# Altium PCB PCB.PcbDoc
Units mm, origin at the board's own origin, x right, y up, seen from the top; angles counter-clockwise.
Board outline 100 x 100 mm, 2 copper layers (Top Layer, Bottom Layer); 49 components, 31 nets, 213 pads, 94 vias.
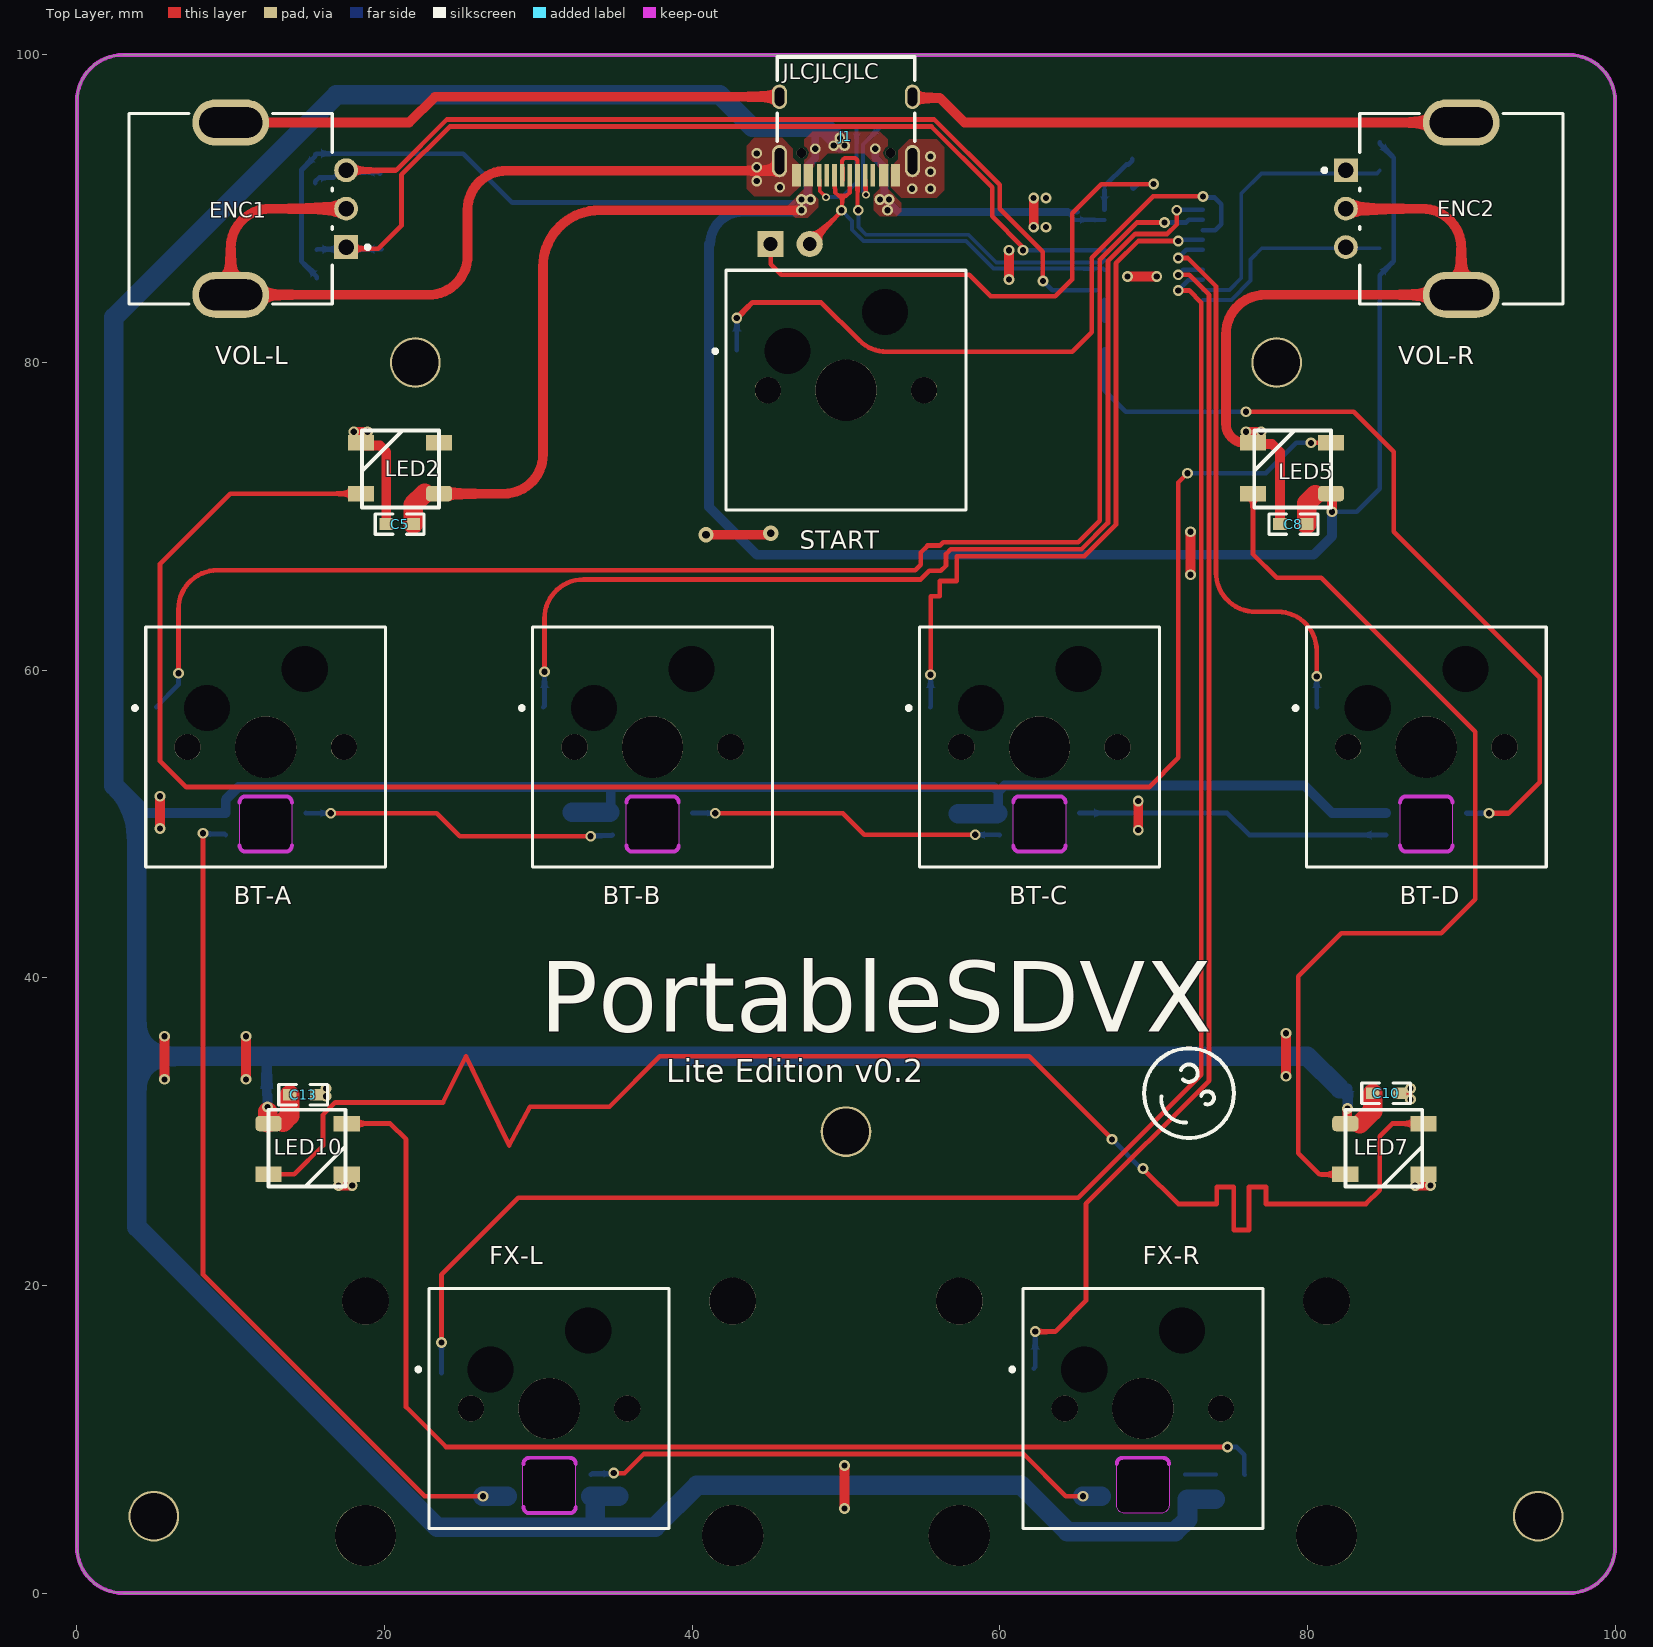
[diagram p0: Top Layer view]
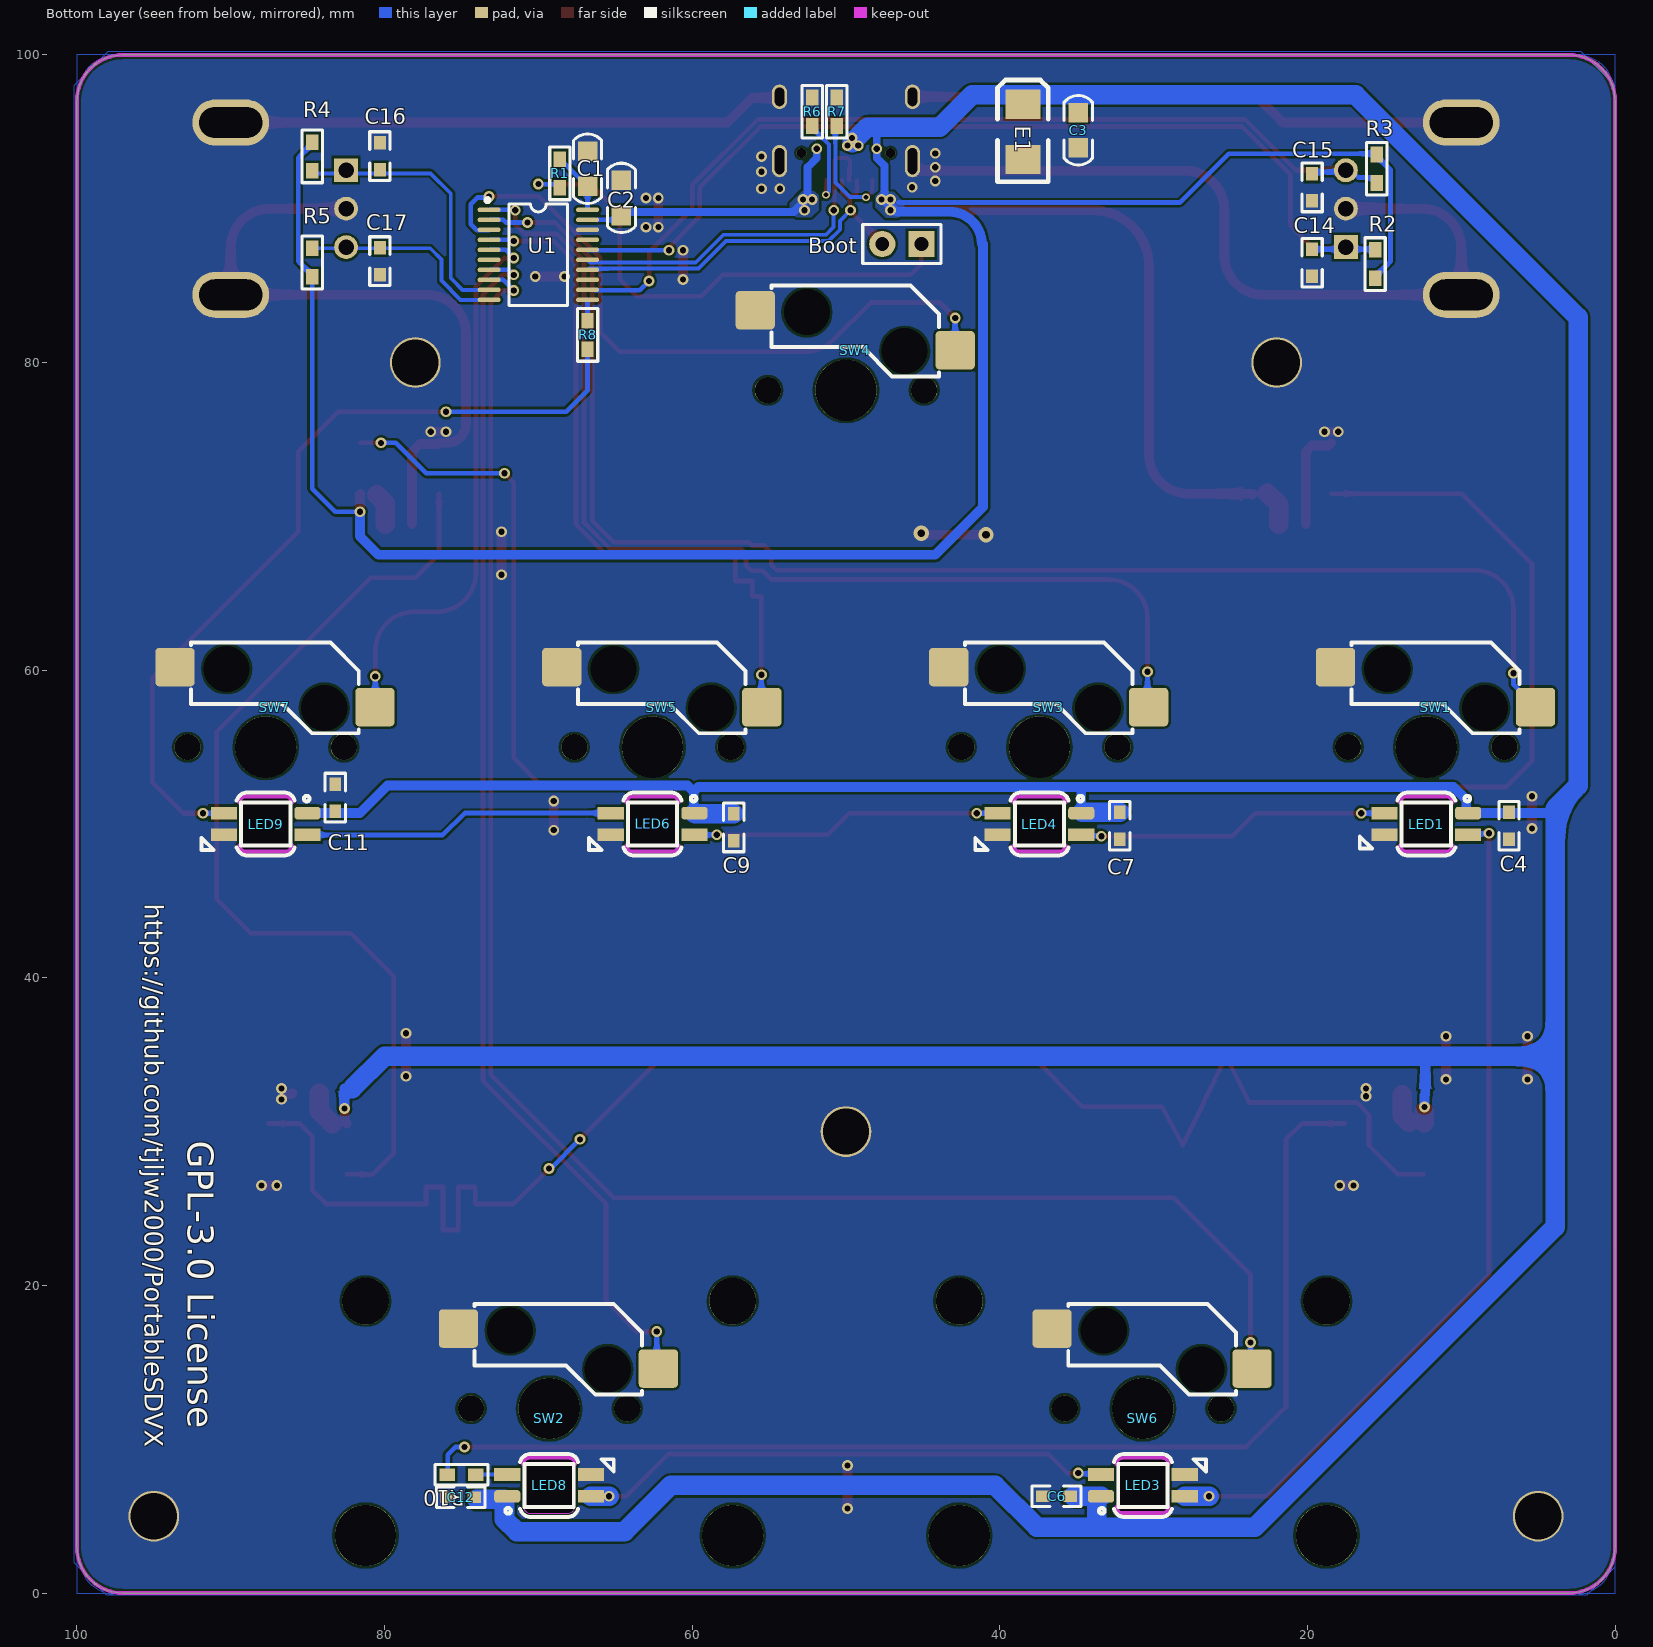
[diagram p1: Bottom Layer view, seen from below]
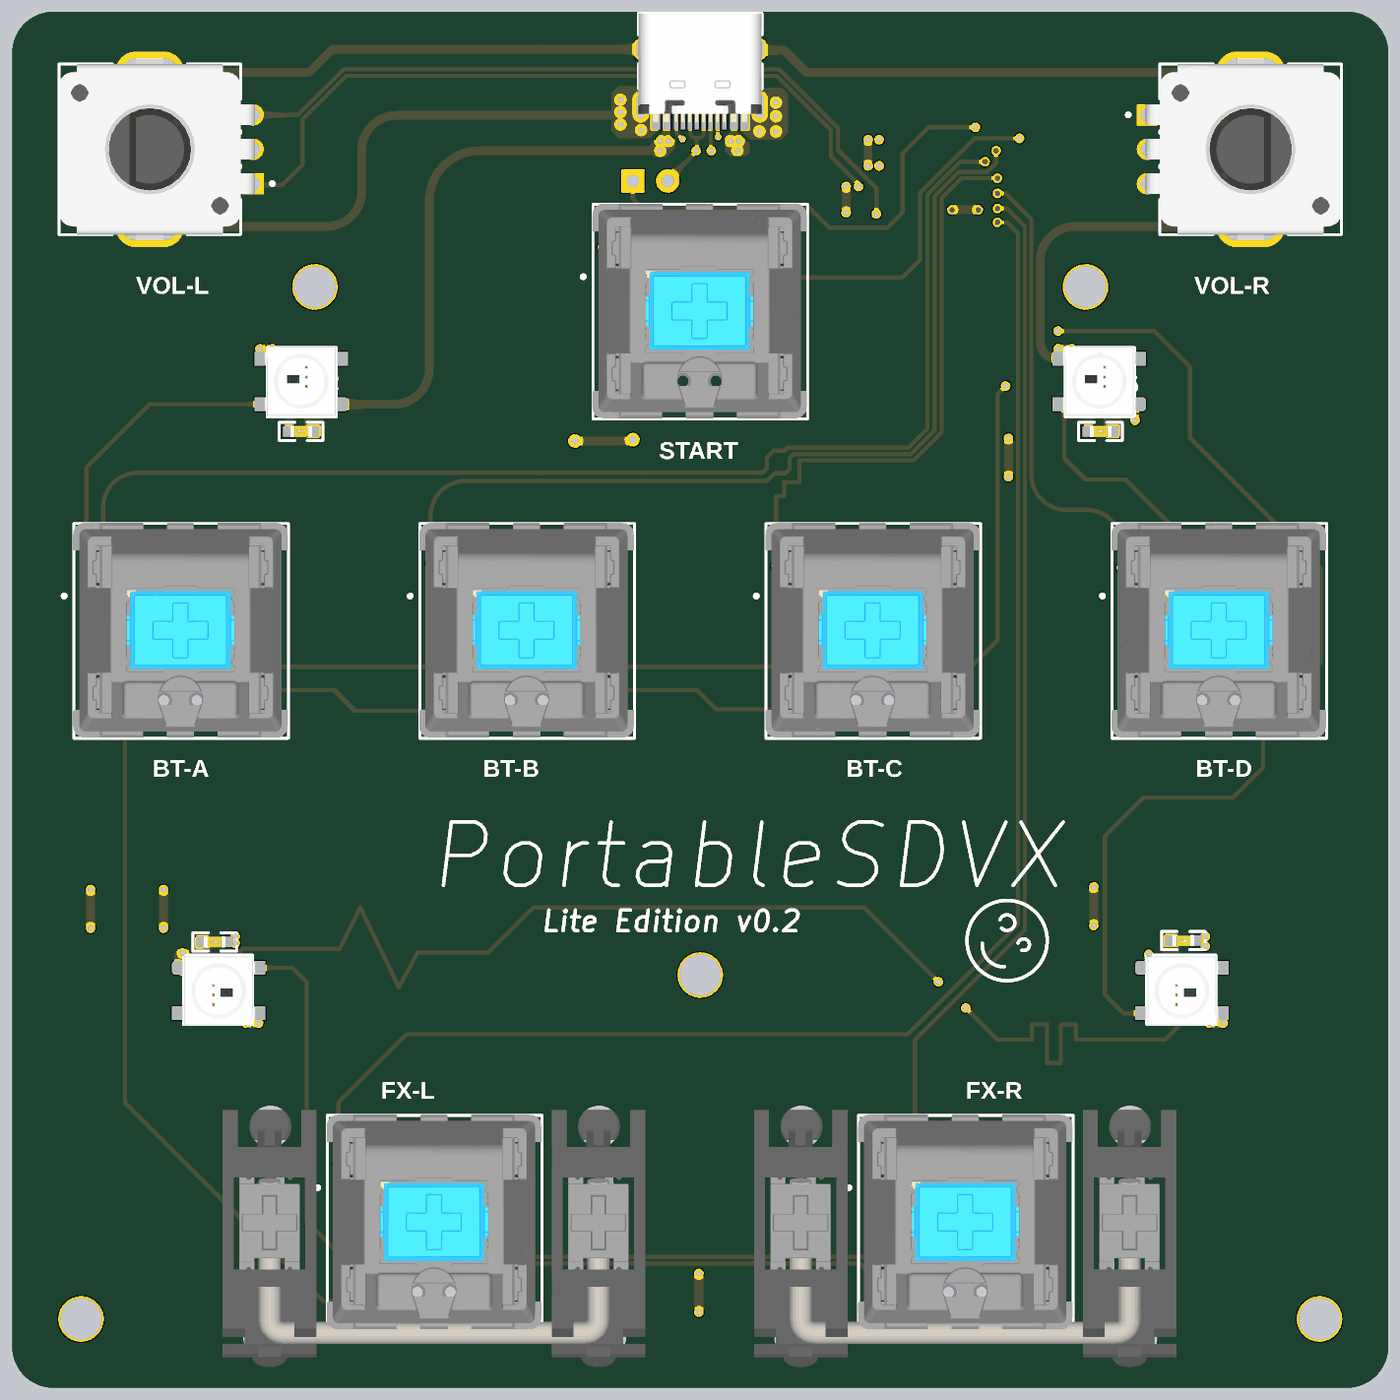
[diagram p2: 3D render of the assembled board from above, using the file's embedded part models]
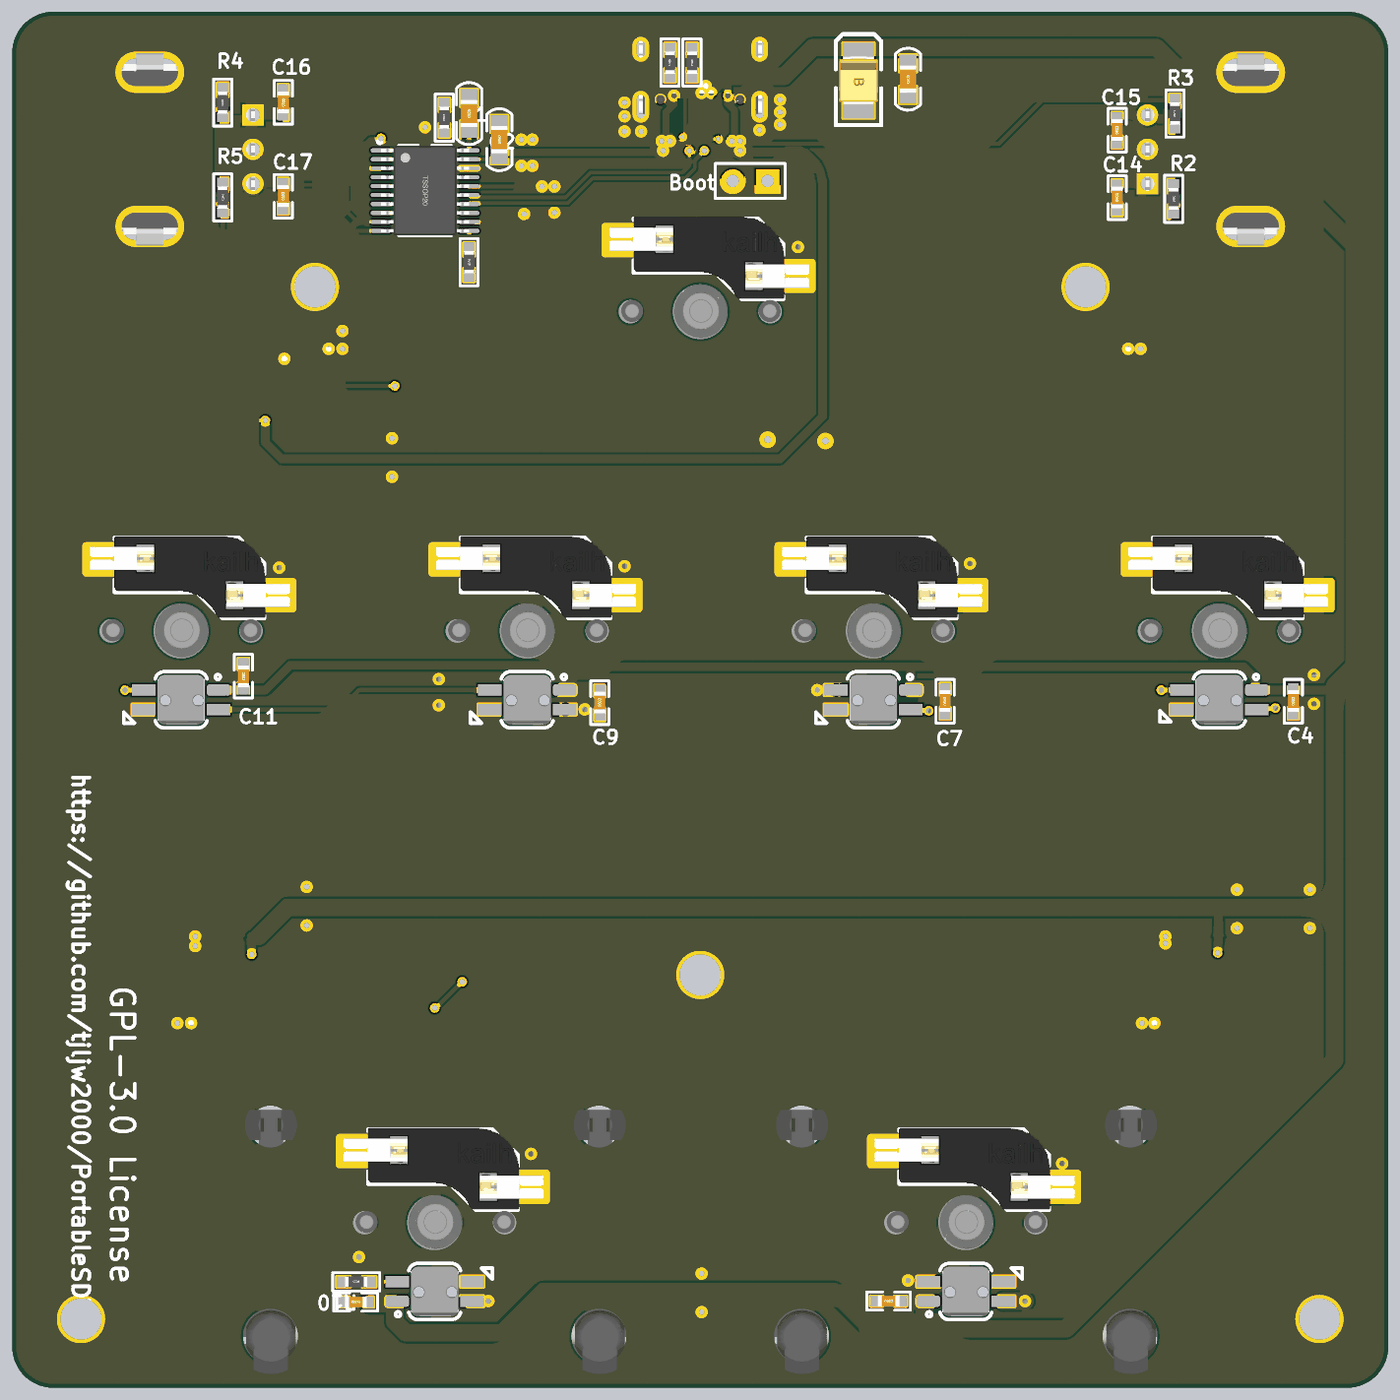
[diagram p3: 3D render of the assembled board from below, using the file's embedded part models]

## Layer stack, top to bottom
Top Solder: solder mask 0.0102, Solder Resist, Dk 3.5
Top Layer: signal copper 0.0356
Dielectric 1: dielectric 0.32, FR-4, Dk 4.8
Bottom Layer: signal copper 0.0356
Bottom Solder: solder mask 0.0102, Solder Resist, Dk 3.5

## Board outline
0,3 0,97 cw(c3,97) 3,100 97,100 cw(c97,97) 100,97 100,3 cw(c97,3) 97,0 3,0 cw(c3,3)

## Design rules (kind name [scope] priority, off if disabled: settings)
Clearance [All] p1: gap=0.152 ignorepadtopadclearanceinfootprint=FALSE
PolygonConnect [All] p1: connectstyle=Direct reliefconductorwidth=0.254 reliefentries=4 polygonreliefangle="90 Angle" airgapwidth=0.254
RoomDefinition Sheet [InComponentClass('Sheet')] p1 off: confinementstyle=ConfineIn formatcopy=TRUE lockcomponents=FALSE outline 149.168,-9.459 171.803,-9.459 171.803,21.529 149.168,21.529
RoutingVias [All] p1: holewidth=0.711 width=1.27 viastyle="Through Hole" minholewidth=0.711 minwidth=1.27 maxholewidth=0.711 maxwidth=1.27
SolderMaskExpansion [All] p1: expansion=0.102
Width [All] p1: maxlimit=1.27 minlimit=0.254 preferedwidth=0.254
30 further rules are at their usual default settings.

## Components (designator, comment, footprint, x,y, rotation, side; value= is the part's Value field where it differs from the comment)
Boot "HDR-1X2" HDR-1X2 45.1,87.7 r0 bottom
C1 "106" "C 0805" 66.8,92.6 r90 bottom
C2 "106" "C 0805" 64.6,90.7 r270 bottom
C3 "106" "C 0805" 34.9,95.1 r90 bottom
C4 "104" "C 0603" 6.9,49.9 r90 bottom
C5 "104" "C 0603" 21,69.5 r0 top
C6 "104" "C 0603" 36.3,6.3 r180 bottom
C7 "104" "C 0603" 32.2,49.9 r90 bottom
C8 "104" "C 0603" 79.1,69.5 r0 top
C9 "104" "C 0603" 57.3,49.8 r90 bottom
C10 "104" "C 0603" 85.1,32.5 r180 top
C11 "104" "C 0603" 83.2,51.7 r270 bottom
C12 "104" "C 0603" 75.033,6.233 r180 bottom
C13 "104" "C 0603" 14.7,32.4 r180 top
C14 "104" "C 0603" 19.7,86.5 r90 bottom
C15 "104" "C 0603" 19.7,91.4 r90 bottom
C16 "104" "C 0603" 80.3,93.4 r270 bottom
C17 "104" "C 0603" 80.3,86.6 r90 bottom
E1 "10uF/10V" "CD B(3528)" 38.5,95 r270 bottom
ENC1 "EC12E24204A9" ALPS_EC12E24204A9_MFG 10,90 r90 top
ENC2 "EC12E24204A9" ALPS_EC12E24204A9_MFG 90,90 r270 top
J1 "Typec16" "TYPEC 16P" 50,99.873 r180 top
LED1 "WS2812B" WS2812_SINK 12.275,50 r0 top
LED2 "WS2812B" WS2812B 21,73 r180 top
LED3 "WS2812B" WS2812_SINK 30.7,7 r180 top
LED4 "WS2812B" WS2812_SINK 37.425,50 r0 top
LED5 "WS2812B" WS2812B 79,73 r180 top
LED6 "WS2812B" WS2812_SINK 62.575,50 r0 top
LED7 "WS2812B" WS2812B 85,29 r0 top
LED8 "WS2812B" WS2812_SINK 69.3,7 r180 top
LED9 "WS2812B" WS2812_SINK 87.725,50 r0 top
LED10 "WS2812B" WS2812B 15,29 r0 top
R1 "10K" RES-SMD-0603 68.6,92.3 r90 bottom
R2 "10K" RES-SMD-0603 15.6,86.4 r270 bottom
R3 "10K" RES-SMD-0603 15.5,92.6 r90 bottom
R4 "10K" RES-SMD-0603 84.7,93.4 r90 bottom
R5 "10K" RES-SMD-0603 84.7,86.5 r270 bottom
R6 "5.1K" Res-SMD-0603 52.2,96.3 r90 bottom
R7 "5.1K" Res-SMD-0603 50.6,96.3 r270 bottom
R8 "500" Res-SMD-0603 66.8,81.8 r270 bottom
R10 "500" Res-SMD-0603 75,7.7 r180 bottom
SW1 "SWITCH" CHERRY_MX1A_KAILH 12.275,55 r0 top locked
SW2 "SWITCH" Cherry_MX1A_X2_Kailh 69.3,12 r0 top locked
SW3 "SWITCH" CHERRY_MX1A_KAILH 37.425,55 r0 top
SW4 "SWITCH" CHERRY_MX1A_KAILH 50,78.2 r0 top
SW5 "SWITCH" CHERRY_MX1A_KAILH 62.575,55 r0 top
SW6 "SWITCH" Cherry_MX1A_X2_Kailh 30.7,12 r0 top
SW7 "SWITCH" CHERRY_MX1A_KAILH 87.725,55 r0 top locked
U1 "CH552T" TSSOP20_N 70,87 r180 bottom

## Footprints (in the part's own frame and the unit in brackets; to place one, negate y for a bottom-side part, rotate by r counter-clockwise, add the part's x,y. Pads: shape width x height; smd on the part's side, far side on the other; paste and mask are expansions set on the pad)
ALPS_EC12E24204A9_MFG [mm]
  rect 1.55x1.55 hole 1 paste-1000 mask+0: 1(-2.5,-7.5)
  round 1.55 hole 1 paste-1000 mask+0: 2(0,-7.5) 3(2.5,-7.5)
  rrect100% 3x5 hole 2 slot 4.1 at 90 deg paste-1000 mask+0: 4(-5.6,0) 5(5.6,0)
  silkscreen extent -6.2,-9.03 6.2,6.6, body extent -7,-8.37 7,6.7, height 0.25
"C 0603" [mil] "�޼�����Ƭ����"
  rect 35x30 smd: 1(-35,0) 2(34,0)
  silkscreen extent -63,-26 62,26, body extent -31,-16 31,16, height 32
"C 0805" [mil]
  rect 50x50 smd: 1(-45,0) 2(45,0)
  silkscreen extent -89,-36 89,36, body extent -39,-24 39,24, height 20
"CD B(3528)" [mil] "��3.5mm����2.8mm����1.9mm"
  rect 75x90 smd: A(-70.87,-0.01) K(70.86,-0.01)
  silkscreen extent -133,-65 127,65, body extent -69,-55 69,55, height 75
CHERRY_MX1A_KAILH [mm]
  rrect20% 2.55x2.5 smd far side paste-1000 mask+0: 1(-7.1,2.6) 2(5.9,5.2)
  round 1.702 hole 1.702 unplated paste-1000 mask+0: ""(-5.08,0) ""(5.08,0)
  round 2.3 hole 3 paste-1000 mask+0: ""(-3.81,2.54) ""(2.54,5.08)
  round 0.08 hole 0.043 paste-1000 mask+0: ""(0,0)
  round 3.988 hole 3.988 unplated paste-1000 mask+0: ""(0,0)
  silkscreen extent -8.62,-7.8 7.8,7.8, body extent -7.91,-7.75 7.75,7.85, height 15.53
Cherry_MX1A_X2_Kailh [mil]
  rrect20% 100.39x98.43 smd far side paste-39370.1 mask+0: 1(-279.53,102.36) 2(232.28,204.72)
  round 157 hole 157 unplated paste-39370.1 mask+0: ""(-470,-325) ""(0,0) ""(470,-325)
  round 120 hole 120 unplated paste-39370.1 mask+0: ""(-470,275) ""(470,275)
  round 67 hole 67 unplated paste-39370.1 mask+0: ""(-200,0) ""(200,0)
  round 90.55 hole 118.11 paste-39370.1 mask+0: ""(-150,100) ""(100,200)
  round 3.15 hole 1.69 paste-39370.1 mask+0: ""(0,0)
  silkscreen extent -340,-307 307,307, body extent -606,-433 602,323, height 611
HDR-1X2 [mm]
  rect 1.7x1.7 hole 0.9: 1(0,0)
  round 1.7 hole 0.9: 2(2.54,0)
  silkscreen extent -1.27,-1.27 3.81,1.27
RES-SMD-0603 [mil] "1/10W��Ƭ����"
  rect 40x31.5 smd: 1(-36.5,0) 2(36.5,0)
  silkscreen extent -68,-26 68,26, body extent -31,-16 31,16, height 16
Res-SMD-0603 [mil]
  rect 40x31.5 smd: 1(-36.5,0) 2(36.5,0)
  silkscreen extent -68,-26 68,26, body extent -31,-16 31,16, height 16
TSSOP20_N [mm] "6.5*6.4*1������ߣ�"
  oval 1.5x0.3 smd: 1(-3.2,2.925) 2(-3.2,2.275) 3(-3.2,1.625) 4(-3.2,0.975) 5(-3.2,0.325) 6(-3.2,-0.325) 7(-3.2,-0.975) 8(-3.2,-1.625) 9(-3.2,-2.275) 10(-3.2,-2.925) 11(3.2,-2.925) 12(3.2,-2.275) 13(3.2,-1.625) 14(3.2,-0.975) 15(3.2,-0.325) 16(3.2,0.325) 17(3.2,0.975) 18(3.2,1.625) 19(3.2,2.275) 20(3.2,2.925)
  silkscreen extent -3.43,-3.3 1.91,3.69, body extent -3.2,-3.25 3.2,3.25, height 1.03
"TYPEC 16P" [mm]
  rect 0.6x1.45 smd: 1(-3.225,7.695) 2(-2.45,7.695) 7(2.45,7.695) 8(3.225,7.695)
  rect 0.3x1.45 smd: 3(-1.25,7.695) 4(-0.25,7.695) 5(0.25,7.695) 6(1.25,7.695) 11(-1.75,7.695) 12(-0.75,7.695) 13(0.75,7.695) 14(1.75,7.695)
  oval 1x2.1 hole 0.6 slot 1.7 at 90 deg: ""(-4.32,6.78) ""(4.32,6.78)
  oval 1x1.6 hole 0.6 slot 1.2 at 90 deg: ""(-4.32,2.6) ""(4.32,2.6)
  round 0.65 hole 0.65 unplated: ""(-2.89,6.25) ""(2.89,6.25)
  silkscreen extent -4.47,0 4.47,5.46, body extent -4.46,0 4.49,7.9, height 3.21
WS2812_SINK [mm]
  rrect50% 1.7x0.82 smd far side: 1(-2.72,0.71)
  rect 1.7x0.82 smd far side: 2(-2.72,-0.71) 3(2.72,-0.71) 4(2.72,0.71)
  Keep-Out Layer board cut-out: -1.7,-1.3 -1.7,1.3 -1.662,1.491 -1.554,1.654 -1.391,1.762 -1.2,1.8 -1.2,1.8 1.2,1.8 1.391,1.762 1.554,1.654 1.662,1.491 1.7,1.3 1.7,1.3 1.7,-1.3 1.662,-1.491 1.554,-1.654 1.391,-1.762 1.2,-1.8 1.2,-1.8 -1.2,-1.8 -1.391,-1.762 -1.554,-1.654 -1.662,-1.491 -1.7,-1.3
WS2812B [mm]
  rrect50% 1.7x1 smd: 1(-2.54,1.524)
  rect 1.7x1 smd: 2(-2.54,-1.778) 3(2.54,-1.778) 4(2.54,1.524)
  silkscreen extent -2.54,-2.58 2.46,2.42, body extent -2.7,-2.65 2.7,2.35, height 1.54

## Part data
Boot: library part "Header 2", "2P接插件", BOM名称=2P接插件, 学习资源=www.ooocke.com, 版权归属=源创客
C1 C2 C3 C4 C5 C6 C7 C8 C9 C10 C11 C12 C13 C14 C15 C16 C17: library part Cap-CER-SMD, "瓷片电容-贴片"
E1: library part Cap-TAN-SMD, "钽电解电容-贴片"
LED1 LED2 LED3 LED4 LED5 LED6 LED7 LED8 LED9 LED10: "Raspberry Pi HAT _40 pin_ Wheeled Robotics Kit", Package=None, Availability=Unavailable, MF="SparkFun Electronics", MP=WS2812B, Price=None, SnapEDA_Link=https://www.snapeda.com/parts/WS2812B/Worldsemi/view-part/1038297/?ref=snap
R1 R2 R3 R4 R5 R6 R7 R8 R10: library part Res-Fixed-SMD, "固定电阻器-贴片"
SW1 SW2 SW3 SW4 SW5 SW6 SW7: "SWITCH Pushbutton Switch SPST-NO Keyswitch Through Hole", contact_current_rating="10 mA", Digikey Part Number=CH160-ND, Manufacturer=Cherry, Mouser Part Number=540-MX1A-11NW, Octopart Part Number=MX1A-11NW, Package=SW_15MM6_15_6, Temperature="-10 to +70", Temperature Range High=+70, Temperature Range Low=-10, Category 2Bfae6F01857F03D=Pushbutton, Category 6A0Ba70159B8B1Cc=Keylock, Category 6E88A3825D3Cb54F=Uncategorized, Category 8Ce341E9Bf4C5724=Switches, Category A9A064Aa9A0A7267="Tactile / Jog", Category Db391633E8F300Fe="Industrial Control", ComponentLink1Description=Upverter, ComponentLink1URL=https://upverter.com/upn/revision/2ca27a2fbe391082/, ComponentLink2Description=Datasheet, ComponentLink2URL=https://upverter.com/datasheet/a174b925b05052267a652262a41f429ea7a87855.pdf, contact_plating=Gold, contacts_type=SPST, Digikey Description="SWITCH Pushbutton Switch SPST-NO Keyswitch Through Hole", helpURL=https://upverter.com/upn/revision/2ca27a2fbe391082/, Lead Free=yes, Mounting Type=lug, Num Pins=2, orientation=Vertical, Price=0.648391469733, RoHS=TRUE, size_length="15.6 mm", size_width="15.6 mm", Supplier 1=Digi-Key, Supplier 2=Mouser, Supplier Part Number 1=CH160-ND, Supplier Part Number 2=540-MX1A-11NW

## Free pads (board coordinates)
  round 3.3 hole 3 unplated: ""(5,5) ""(22,80) ""(50,30) ""(78,80) ""(95,5)

## Via types
v1: diameter 0.7, hole 0.4, Top Layer to Bottom Layer, 90 vias
v2: diameter 0.5, hole 0.3, Top Layer to Bottom Layer, 2 vias
v3: diameter 1, hole 0.5, Top Layer to Bottom Layer, 2 vias

## Nets (pads, with @x,y where several pads share a name; then routed paths per layer and width w, separated by ;. In a path a pad name is that pad's centre, name@x,y a point inside that pad or via, vN(x,y) a via of type N, cw(c..) or ccw(c..) an arc to the next point about the centre after c; other vN are vias at no path point)
+5: C2.2 C3.2 C4.2 C5.2 C6.2 C7.2 C8.2 C9.2 C10.2 C11.2 C12.2 C13.2 E1.A J1.2 J1.7 LED1.1 LED2.1 LED3.1 LED4.1 LED5.1 LED6.1 LED7.1 LED8.1 LED9.1 LED10.1 R2.2 R3.2 R4.2 R5.2 U1.19 | length 587.5
  Top Layer w0.635: LED2.1@23.588,71.428 LED2.1 27.76,71.476 ccw(c27.76,74.016) 30.3,74.016 30.3,86.235 cw(c33.965,86.235) 33.965,89.9 v1(47.1,89.9) ; LED5.1 81.588,71.428 81.588,70.312 v1(81.6,70.3) ; LED7.1 82.588,30.652 82.588,31.488 v1(82.6,31.5)
  Top Layer w1.27: LED10.1@12.4,30.584 v1@12.4,31.3 ; 13.4,30.6 13.836,31.036 C13.2 ; C5.2 21.864,70.764 22.6,71.5 ; C8.2 79.964,70.864 80.5,71.4 ; 83.4,30.5 84.236,31.336 C10.2
  Bottom Layer w0.254: C2.2@64.4,89.782 C2.2@65.082,89.782 ; C2.2 64.882,89.275 U1.19
  Bottom Layer w0.305: R2.2 15.6,85.581 14.6,86.581 14.6,92.519 15.5,93.419 R3.2 15.553,93.58 25.12,93.58 28.3,90.4 46.6,90.4 ; v1(81.6,70.3) 83.2,70.3 84.7,71.8 R5.2 84.7,85.681 85.6,86.581 85.6,93.319 84.7,94.219 R4.2
  Bottom Layer w0.508: v1@47.504,90.684 47.504,92.804 48,93.3 v1(48,93.9) 48,95.1 47.8,95.3 47.6,95.5 ; v1(51.9,93.9) 51.9,93.3 52.496,92.704 52.496,90.684 53.398,89.782 C2.2@64.4,89.782
  Bottom Layer w0.635: 3.9,51 4.19,50.71 LED1.1 9.675,50.71 9.675,51.575 10.5,52.4 59.6,52.4 59.9,52.1 ; 12.1,34.9 12.336,34.664 12.336,32.4 12.388,32.349 12.388,31.612 v1(12.4,31.6) ; LED4.1 34.705,52.105 ; 41.1,87.7 41.1,70.6 44.2,67.5 80.4,67.5 81.6,68.7 v1(81.6,70.3) ; 41.173,87.7 cw(c43.273,87.7) 43.273,89.8 46.71,89.8 47.545,90.635 v1@47.545,90.684 ; LED6.1 59.9,50.755 59.9,52.1 ; v1(82.6,31.5) 82.612,31.512 82.612,32.8 ; LED9.1@85.125,50.71 LED9.1 81.59,50.71 79.8,52.5 60.3,52.5 59.9,52.1
  Bottom Layer w1.27: C7.2 LED4.1@34.651,50.764 ; LED3.1 C6.2@35.226,6.29 ; LED3.1@33.7,6.1 33.7,4.286 ; v1@49.6,94.3 48.6,95.3 47.8,95.3 43.9,95.3 41.8,97.4 16.863,97.4 2.4,82.937 2.4,52.5 3.9,51 3.9,34.9 ; C9.2 59.809,50.664 LED6.1 ; C12.2@73.994,6.1 72.2,6.1 72.2,4.8 71.4,4 64.4,4 61.4,7 40.3,7 37.586,4.286 33.7,4.286 ; 82.1,32.8 80,34.9 12.1,34.9 3.9,34.9 ; 3.9,34.9 3.9,23.8 23.414,4.286 33.7,4.286
  other v1: 52.7,89.9 47.1,90.6 47.7,90.6 52.2,90.6 52.8,90.6 49.2,94.1 49.9,94.1 49.6,94.6
BTNL1: SW7.1 U1.5 | length 36.8
  Top Layer w0.305: v1(71.6,86.8) 72.2,86.8 74.057,84.943 74.057,66.34 ccw(c76.597,66.34) 74.066,66.134 ccw(c76.597,66.34) 76.392,63.808 ccw(c76.597,66.34) 76.597,63.8 78.06,63.8 cw(c78.06,61.26) 80.6,61.26 v1(80.6,59.6)
  Bottom Layer w0.305: v1(71.6,86.8) 72.123,87.323 73.198,87.323 U1.5 ; v1(80.6,59.6) 80.6,57.625 SW7.1
BTNL2: SW5.1 U1.4 | length 45.7
  Top Layer w0.305: v1(55.5,59.7) 55.5,64.8 56.1,64.8 56.1,65.8 57.2,65.8 57.2,67.4 65.5,67.4 67.55,69.45 67.55,86.45 69,87.9 v1(71.6,87.9)
  Bottom Layer w0.305: SW5.1 55.5,57.625 v1(55.5,59.7) ; v1@71.851,87.975 U1.4
BTNLH: SW6.1 U1.8 | length 115.1
  Top Layer w0.305: v1(23.7,16.3) 23.7,20.7 28.7,25.7 65.1,25.7 73.1,33.7 73.1,83.9 72.313,84.687 v1(71.6,84.687)
  Bottom Layer w0.305: SW6.1@23.7,14.3 v1(23.7,16.3) ; v1(71.6,84.687) 72.288,85.375 U1.8
BTNR1: SW3.1 U1.1 | length 70.9
  Top Layer w0.305: v1(30.4,59.9) 30.4,63.36 cw(c32.94,63.36) 32.94,65.9 54.847,65.9 55.404,66.457 56.157,66.457 56.5,66.8 56.5,67.547 56.811,67.857 65.311,67.857 67.027,69.573 67.027,86.573 68.811,88.357 70.883,88.357 71.5,88.974 v1(71.5,89.9)
  Bottom Layer w0.305: SW3.1 30.4,57.675 v1(30.4,59.9) ; v1(71.5,89.9) 71.527,89.927 73.198,89.927 U1.1
BTNR2: SW1.1 U1.2 | length 95
  Top Layer w0.305: v1(6.6,59.8) 6.6,63.96 cw(c9.14,63.96) 9.14,66.5 54.5,66.5 54.85,66.85 54.85,67.65 55.3,68.1 56.1,68.1 56.314,68.314 65.1,68.314 66.503,69.718 66.503,86.697 68.907,89.1 v1(70.7,89.1)
  Bottom Layer w0.305: SW1.1 5.175,57.628 6.6,59.053 v1(6.6,59.8) ; v1@70.5,89.1 v1(70.7,89.1) 72.1,89.1 72.275,89.275 U1.2
BTNRH: SW2.1 U1.7 | length 79.6
  Top Layer w0.305: v1(62.3,17) 63.6,17 65.6,19 65.6,25.3 73.6,33.3 73.6,84.4 72.3,85.7 v1(71.6,85.7)
  Bottom Layer w0.305: SW2.1 62.3,14.7 v1(62.3,17) ; v1(71.6,85.7) 71.925,86.025 U1.7
D+: Boot.2 J1.4 J1.13 U1.14 | length 25.8
  Top Layer w0.254: Boot.2 47.64,87.77 49.7,89.83 v1(49.7,89.9) 49.75,89.95 49.75,90.851 ; J1.13@49.27,91.855 49.293,91.832 49.293,91.062 49.504,90.851 49.75,90.851 ; J1.4@50.27,91.855 50.247,91.832 50.247,91.062 50.036,90.851 49.75,90.851
  Bottom Layer w0.254: v1(49.7,89.9) 50.394,89.206 50.394,88.632 51.125,87.9 57.8,87.9 59.6,86.1 66.725,86.1 U1.14
D-: J1.5 J1.12 U1.15 | length 24.3
  Top Layer w0.254: J1.5 49.75,93.05 cw(c50,93.05) 50,93.3 50.501,93.3 cw(c50.501,93.051) 50.75,93.051 J1.12 ; J1.5@49.77,91.855 49.793,91.878 J1.5@49.793,92.648 ; J1.12@50.747,92.178 50.747,89.953 v1(50.8,89.9)
  Bottom Layer w0.254: v1(50.8,89.9) 50.8,88.8 51.294,88.306 57.968,88.306 59.768,86.506 66.631,86.506 U1.15
DLED: LED9.4 R8.2 | length 54.2
  Top Layer w0.305: v1(76,76.8) 83,76.8 85.6,74.2 85.6,69 95.1,59.5 95.1,52.7 93.1,50.7 v1(91.8,50.7)
  Bottom Layer w0.305: R8.2 66.8,78.2 68.2,76.8 v1(76,76.8) ; LED9.4@90.325,50.71 90.335,50.7 v1(91.8,50.7)
ENCLA: C14.2 ENC1.1 R2.1 U1.16 | length 63.4
  Top Layer w0.305: ENC1.1 17.6,87.4 19.6,87.4 21.1,88.9 21.1,92.2 24.243,95.343 55.557,95.343 59.5,91.4 59.5,89.5 61.5,87.5 v1(61.5,87.3)
  Bottom Layer w0.305: R2.1 15.636,87.364 C14.2 C14.2@19.8,87.364 ; v1(61.5,87.3) 66.775,87.3 U1.16
ENCLB: C15.2 ENC1.3 R3.1 U1.12 | length 61
  Top Layer w0.305: ENC1.3 20.753,92.5 24.053,95.8 55.747,95.8 60,91.547 60,89.997 62.8,87.197 v1(62.8,85.3)
  Bottom Layer w0.305: R3.1 15.5,91.781 15.748,92.029 16.692,92.029 ENC1.3@17.163,92.5 ; ENC1.3@17.618,92.382 19.582,92.382 C15.2 ; v1(62.8,85.3) 63.4,84.7 U1.12@66.335,84.7
ENCRA: C16.2 ENC2.1 R4.1 U1.9 | length 17.9
  Bottom Layer w0.254: U1.9 74.925,84.725 75.696,85.496 75.696,90.996 77,92.3 84.527,92.3 R4.1
ENCRB: C17.2 ENC2.3 R5.1 U1.10 | length 13.7
  Bottom Layer w0.254: U1.10 75.053,84.075 76.3,85.322 76.3,86.7 77.027,87.427 R5.1
GND: C1.2 C2.1 C3.1 C4.1 C5.1 C6.1 C7.1 C8.1 C9.1 C10.1 C11.1 C12.1 C13.1 C14.1 C15.1 C16.1 C17.1 E1.K ENC1.2 ENC1.4 ENC1.5 ENC2.2 ENC2.4 ENC2.5 J1.1 J1.8 J1.@45.68,93.093 J1.@45.68,97.273 J1.@54.32,93.093 J1.@54.32,97.273 LED1.3 LED2.3 LED3.3 LED4.3 LED5.3 LED6.3 LED7.3 LED8.3 LED9.3 LED10.3 pad. R6.2 R7.1 SW1.2 SW2.2 SW3.2 SW4.2 SW5.2 SW6.2 SW7.2 U1.18 | length 208.9
  Top Layer w0.635: v1(5.4,49.7) v1(5.4,51.8) ; v1(5.7,33.4) v1(5.7,36.2) ; ENC1.5 21.6,95.6 23.273,97.273 J1.@45.68,97.273 ; v1(11,33.4) v1(11,36.2) ; v1(17,26.5) v1(17.9,26.5) ; ENC1.2 12.54,90 ccw(c12.54,87.46) 10,87.46 ENC1.4 22.86,84.4 ccw(c22.86,86.94) 25.4,86.94 25.4,89.93 cw(c27.94,89.93) 27.94,92.47 J1.@45.68,92.47 ; v1(18,75.5) v1(18.9,75.5) ; LED2.3 18.638,74.6 19.7,74.6 20.111,74.189 C5.1 ; v3(40.9,68.8) 45,68.8 v3(45.1,68.9) ; v1(49.9,5.5) v1(49.9,8.3) ; J1.@54.32,97.2 56.1,97.2 57.7,95.6 ENC2.4 ; v1(60.6,85.4) v1(60.6,87.3) ; v1(62.2,88.8) v1(62.2,90.7) ; v1(68.3,85.6) v1(70.2,85.6) ; v1(69,49.6) v1(69,51.5) ; v1(72.4,66.2) v1(72.4,69) ; v1(76,75.5) v1(77,75.5) ; C8.1 78.211,74.189 77.7,74.7 76.538,74.7 LED5.3 75.922,74.778 cw(c75.922,76) 74.7,76 74.7,81.86 cw(c77.24,81.86) 77.24,84.4 ENC2.5 90,87.46 ccw(c87.46,87.46) 87.46,90 ENC2.2 ; v1(78.6,33.6) v1(78.6,36.4) ; C10.1 86.052,32.437 86.463,32.437 86.5,32.4 ; v1(87,26.5) v1(88,26.5)
  other v1: 86.7,32.1 16.2,32.3 16.2,32.8 86.7,32.8 63,88.8 63,90.7 54.3,91.3 55.5,91.3 45.7,91.4 44.2,91.8 55.5,92.4 44.2,92.7 55.5,93.4 44.2,93.6
NetBoot_1: Boot.1 R1.1 | length 34.2
  Top Layer w0.305: Boot.1 45.1,86.4 45.8,85.7 58,85.7 59.4,84.3 63.6,84.3 64.7,85.4 64.7,89.7 66.6,91.6 v1(70,91.6)
  Bottom Layer w0.305: R1.1 68.673,91.3 68.973,91.6 v1(70,91.6)
NetC1_1: C1.1 R1.2 U1.20 | length 3.9
  Bottom Layer w0.305: C1.1@66.8,91.211 U1.20 U1.20@66.802,89.923 ; C1.1 68.215,92.872 68.352,92.872 68.6,93.119 R1.2
NetJ1_3: J1.3 R6.1 | length 6
  Top Layer w0.254: J1.3@51.27,91.855 51.27,90.93 v2(51.3,90.9)
  Bottom Layer w0.254: v2(51.3,90.9) 51.1,91.1 51.1,94.165 52.2,95.265 R6.1
NetJ1_14: J1.14 R7.2 | length 7.4
  Top Layer w0.254: J1.14@48.27,91.855 48.293,91.832 48.293,91.157 v2(48.7,90.75)
  Bottom Layer w0.254: v2(48.7,90.75) 49.75,90.75 50.694,91.694 50.694,95.279 R7.2
NetLED1_2: LED1.2 LED3.4 | length 56
  Top Layer w0.305: v1(8.2,49.4) 8.2,20.7 22.6,6.3 v1(26.4,6.3)
  Bottom Layer w0.305: v1(8.2,49.4) 8.255,49.345 9.62,49.345 LED1.2@9.675,49.29
  Bottom Layer w1.27: v1(26.4,6.3) 27.97,6.3 LED3.4
NetLED1_4: LED1.4 LED4.2 | length 20.7
  Top Layer w0.305: v1(16.5,50.7) 23.4,50.7 24.9,49.2 v1(33.4,49.2) v1@33.445,49.2
  Bottom Layer w0.305: LED1.4@14.875,50.71 14.88,50.705 16.495,50.705 v1(16.5,50.7) ; v1(33.4,49.2) 33.445,49.245 34.78,49.245 LED4.2@34.825,49.29
NetLED2_4: LED2.4 LED5.2 | length 124.4
  Top Layer w0.305: LED2.4 9.976,71.476 5.4,66.9 5.4,54.1 7.1,52.4 69.7,52.4 71.6,54.3 71.6,72.2 v1(72.2,72.8) ; v1(80.222,74.778) LED5.2
  Bottom Layer w0.305: v1(72.2,72.8) 77.3,72.8 79.278,74.778 v1(80.222,74.778)
NetLED3_2: LED3.2 LED8.4 | length 34.9
  Top Layer w0.305: v1(34.9,7.8) 35.6,7.8 36.843,9.043 61.557,9.043 64.3,6.3 v1(65.4,6.3)
  Bottom Layer w0.305: LED3.2 33.465,7.755 34.855,7.755 v1(34.9,7.8)
  Bottom Layer w1.27: v1(65.4,6.3) 66.57,6.3 LED8.4
NetLED4_4: LED4.4 LED6.2 | length 20.5
  Top Layer w0.305: v1(41.5,50.7) 49.8,50.7 51.2,49.3 v1(58.4,49.3)
  Bottom Layer w0.305: LED4.4@40.025,50.71 40.03,50.705 41.495,50.705 v1(41.5,50.7) ; v1(58.4,49.3) 58.405,49.295 59.97,49.295 LED6.2@59.975,49.29
NetLED5_4: LED5.4 LED7.2 | length 62.8
  Top Layer w0.305: LED5.4 76.46,67.54 78,66 80.9,66 90.9,56 90.9,45.1 88.7,42.9 82.2,42.9 79.4,40.1 79.4,28.6 80.778,27.222 LED7.2
NetLED6_4: LED6.4 LED9.2 | length 20.5
  Bottom Layer w0.305: LED6.4@65.175,50.71 LED6.4 74.79,50.71 76.21,49.29 LED9.2 LED9.2@85.125,49.29
NetLED7_4: LED7.4 LED10.2 | length 102.5
  Top Layer w0.305: LED10.2 14.122,27.222 16,29.1 16,31.1 16.8,31.9 23.8,31.9 25.3,34.9 26.748,31.9 28.1,29.1 29.453,31.625 34.625,31.625 37.9,34.9 61.9,34.9 v1(67.3,29.5) ; v1(69.3,27.6) 71.6,25.3 74.1,25.3 74.1,26.4 75.2,26.4 75.2,23.6 76.2,23.6 76.2,26.4 77.3,26.4 77.3,25.3 83.8,25.3 84.7,26.2 84.7,29.7 85.524,30.524 LED7.4
  Bottom Layer w0.305: v1(67.3,29.5) 69.2,27.6 v1(69.3,27.6)
NetLED8_2: LED8.2 R10.2 | length 2.1
  Bottom Layer w0.254: LED8.2 74.063,7.71 R10.2
NetLED10_4: LED10.4 R10.1 | length 78.8
  Top Layer w0.305: LED10.4 20.376,30.524 21.4,29.5 21.4,12.1 24,9.5 v1(74.8,9.5)
  Bottom Layer w0.305: v1(74.8,9.5) 74.807,9.493 75.407,9.493 75.9,9 75.9,7.727 R10.1
NetR8_1: R8.1 U1.11 | length 1.3
  Bottom Layer w0.305: R8.1 U1.11
START: SW4.1 U1.3 | length 45.1
  Top Layer w0.305: v1(42.9,82.9) 43.9,83.9 48.4,83.9 50.856,81.444 ccw(c52.652,83.24) 52.652,80.7 64.7,80.7 65.98,81.98 65.98,86.82 69.96,90.8 v1(73.2,90.8)
  Bottom Layer w0.305: SW4.1 v1(42.9,82.9) ; U1.3@73.2,88.6 74,88.6 74.4,89 74.4,90.3 73.976,90.724 73.276,90.724 v1(73.2,90.8)
pads on no net: J1.6 J1.11 J1.@47.11,93.623 J1.@52.89,93.623 LED2.2 SW1. SW2. SW3. SW4. SW5. SW6. SW7. U1.6 U1.13 U1.17

## Polygon pours and split planes (outlines as drawn)
GND on Bottom Layer "Bottom Layer-GND 2" (solid, pour order 42): 0.1,24.6 0.1,97.36 cw(c2.64,97.36) 2.64,99.9 97.46,99.9 cw(c97.46,97.36) 100,97.36 100,2.64 cw(c97.46,2.64) 97.46,0.1 2.54,0.1 cw(c2.54,2.64) 0,2.64 0,10.6
no net on Bottom Layer "Bottom Layer-No Net 2" (solid, shelved, pour order 36): 100,100 100,0 0,0 0,100
GND on Bottom Layer "Bottom Layer-GND 1" (solid, shelved, pour order 28): 0,89.6 0,97.46 cw(c2.54,97.46) 2.54,100 97.36,100 cw(c97.36,97.46) 99.9,97.46 99.9,2.44 cw(c97.36,2.44) 97.36,-0.1 2.64,-0.1 cw(c2.64,2.44) 0.1,2.44 0.1,8.8
no net on Bottom Layer "Bottom Layer-No Net 1" (solid, pour order 20): 0,97
+5 on Bottom Layer "Bottom Layer-+5" (solid, pour order 16): 48.1,90.8 47.8,91.1 46.9,91.1 46.2,90.4 46.2,89.8 46.6,89.4 47.4,89.4 48.1,90.1
+5 on Bottom Layer "Bottom Layer-+5 1" (solid, pour order 14): 51.75,90.85 52.05,91.15 52.85,91.15 53.65,90.35 53.65,89.85 53.25,89.45 52.25,89.45 51.75,89.95
GND on Bottom Layer "Bottom Layer-GND" (solid, shelved, pour order 2): 0,98 2.2,100.2 98,100.2 100.2,98 100.2,2 98.1,-0.1 1.8,-0.1 0,1.7
no net on Bottom Layer "Bottom Layer-No Net" (solid, pour order 0): 47.596,91.601
+5 on Top Layer "Top Layer-+5" (solid, pour order 10): 47.3,93.3 47.6,93.6 47.3,93.9 47.3,94.5 47.5,94.7 48.3,94.7 48.8,94.2 48.8,93.6 47.8,92.6 47.8,91 48.2,90.6 48.2,90.1 47.5,89.4 46.7,89.4 46.2,89.9 46.2,90.2 47.3,91.3
+5 on Top Layer "Top Layer-+5 2" (solid, pour order 12): 52.7,93.2 52.5,93.4 52.5,93.7 52.7,93.9 52.7,94.5 52.5,94.7 51.7,94.7 51.2,94.2 51.2,93.6 52.2,92.6 52.2,91.3 51.8,90.9 51.8,89.9 52.2,89.5 53.3,89.5 53.6,89.8 53.6,90.4 52.7,91.3
+5 on Top Layer "Top Layer-+5 1" (solid, pour order 18): 47.4,94.6 47.8,95 52.2,95 52.7,94.5 52.7,93.9 51.5,93.9 51.2,93.6 47.6,93.6
GND on Top Layer "Top Layer-GND 1" (solid, pour order 6): 56.4,94 55.9,94.5 54.1,94.5 53.4,93.8 53.4,93.2 52.9,92.7 52.9,91.4 53.6,90.7 55.9,90.7 56.4,91.2
GND on Top Layer "Top Layer-GND" (solid, pour order 4): 43.55,94.1 44.05,94.6 45.85,94.6 46.55,93.9 46.55,93.3 47.05,92.8 47.05,91.5 46.35,90.8 44.05,90.8 43.55,91.3

## Keep-outs
Keep-Out Layer:
  lines w0.254: 10.575,48.6 ccw(c10.975,48.6) 10.975,48.2 13.575,48.2 ccw(c13.575,48.6) 13.975,48.6 ; 10.575,51.4 cw(c10.975,51.4) 10.975,51.8 13.575,51.8 cw(c13.575,51.4) 13.975,51.4 ; 29.03,5.6 ccw(c29.43,5.6) 29.43,5.2 32.03,5.2 ; 29.03,8.4 cw(c29.43,8.4) 29.43,8.8 32.03,8.8 ; 32.03,5.2 ccw(c32.03,5.6) 32.43,5.6 ; 32.03,8.8 cw(c32.03,8.4) 32.43,8.4 ; 35.725,51.4 cw(c36.125,51.4) 36.125,51.8 38.725,51.8 ; 39.125,48.6 cw(c38.725,48.6) 38.725,48.2 ; 39.125,51.4 ccw(c38.725,51.4) 38.725,51.8 ; 60.875,48.6 ccw(c61.275,48.6) 61.275,48.2 63.875,48.2 ccw(c63.875,48.6) 64.275,48.6 ; 60.875,51.4 cw(c61.275,51.4) 61.275,51.8 63.875,51.8 cw(c63.875,51.4) 64.275,51.4 ; 67.6,8.4 cw(c68,8.4) 68,8.8 70.6,8.8 cw(c70.6,8.4) 71,8.4 ; 86.025,48.6 ccw(c86.425,48.6) 86.425,48.2 89.025,48.2 ccw(c89.025,48.6) 89.425,48.6 ; 86.025,51.4 cw(c86.425,51.4) 86.425,51.8 89.025,51.8 ; 89.025,51.8 cw(c89.025,51.4) 89.425,51.4 ; 35.725,48.6 ccw(c36.125,48.6) 36.125,48.2 38.725,48.2 ; 35.725,48.6 35.725,48.6 ; 38.725,48.2 ccw(c38.725,48.2) 38.725,48.2 ; 38.725,51.8 ccw(c38.725,51.8) 38.725,51.8 ; 38.725,51.8 38.725,51.8 ; 0,3 ccw(c3,3) 3,0 97,0 ccw(c97,3) 100,3 100,97 ccw(c97,97) 97,100 3,100 ccw(c3,97) 0,97 0,3

## Other copper
Bottom Layer:
  pour cut-out: 29.395,5.2 cw(c29.4,5.6) 29,5.6 29,8.4 cw(c29.4,8.4) 29.4,8.8 32,8.8 cw(c32,8.4) 32.4,8.4 32.4,5.6 cw(c32,5.6) 31.995,5.2
  pour cut-out: 67.995,5.2 cw(c68,5.6) 67.6,5.6 67.6,8.4 cw(c68,8.4) 68,8.8 70.6,8.8 cw(c70.6,8.4) 71,8.4 71,5.6 cw(c70.6,5.6) 70.595,5.2
  pour cut-out: 86.42,48.2 cw(c86.425,48.6) 86.025,48.6 86.025,51.4 cw(c86.425,51.4) 86.425,51.8 89.025,51.8 cw(c89.025,51.4) 89.425,51.4 89.425,48.6 cw(c89.025,48.6) 89.02,48.2
  pour cut-out: 61.27,48.2 cw(c61.275,48.6) 60.875,48.6 60.875,51.4 cw(c61.275,51.4) 61.275,51.8 63.875,51.8 cw(c63.875,51.4) 64.275,51.4 64.275,48.6 cw(c63.875,48.6) 63.87,48.2
  pour cut-out: 10.97,48.2 cw(c10.975,48.6) 10.575,48.6 10.575,51.4 cw(c10.975,51.4) 10.975,51.8 13.575,51.8 cw(c13.575,51.4) 13.975,51.4 13.975,48.6 cw(c13.575,48.6) 13.57,48.2
  pour cut-out: 36.12,48.2 cw(c36.125,48.6) 35.725,48.6 35.725,51.4 cw(c36.125,51.4) 36.125,51.8 38.725,51.8 cw(c38.725,51.4) 39.125,51.4 39.125,48.6 cw(c38.725,48.6) 38.72,48.2

## Silkscreen, mask and mechanical layers (free items; w line width, h text height)
Top Overlay:
  circle w0.254: c72.3,32.5 r2.915
  lines w0.254: 70.5,32.3 ccw(c72.05,32.15) 72.104,30.594 ; 71.775,34.01 cw(c72.3,33.8) 71.9,33.4 ; 73.092,32.317 cw(c73.5,32.2) 73.366,31.798
  text "JLCJLCJLC" at 45.9,98.4 h1
  text "VOL-L" at 9,79.5 h2
  text "VOL-R" at 85.9,79.5 h2
  text "START" at 47,67.5 h2
  text "BT-A" at 10.2,44.4 h2
  text "BT-B" at 34.2,44.4 h2
  text "BT-C" at 60.6,44.4 h2
  text "BT-D" at 86,44.4 h2
  text "PortableSDVX" at 30.1,36.5 h4.6
  text "Lite Edition v0.2" at 38.3,33.2 h1.5
  text "FX-L" at 26.8,21 h2
  text "FX-R" at 69.3,21 h2
Bottom Overlay:
  lines w0.254: 15.8,48.4 16.6,48.4 16.6,49.2 15.8,48.4 ; 26.6,7.9 27.4,8.7 26.6,8.7 26.6,7.9 ; 40.8,48.3 41.6,49.1 41.6,48.3 40.8,48.3 ; 65.1,7.9 65.9,8.7 65.1,8.7 65.1,7.9 ; 65.9,48.3 66.7,49.1 66.7,48.3 65.9,48.3 ; 91.1,48.3 91.9,49.1 91.9,48.3 91.1,48.3
  text "https://github.com/tjljw2000/PortableSDVX" at 95.6,44.8 h1.2 r90
  text "GPL-3.0 License" at 92.8,29.4 h1.7 r90
Mechanical 1:
  the board outline again, w0.254